# Altium PCB Stabilizer.PCBDOC (part 5 of 8)
Units mil, origin at the board's own origin, x right, y up, seen from the top; angles counter-clockwise.
Board outline 6397 x 3937 mil, 4 copper layers (Top, GP1(GND), L3, Bot), stack 64.883 mil thick; 687 components, 419 nets, 2137 pads, 1042 vias.
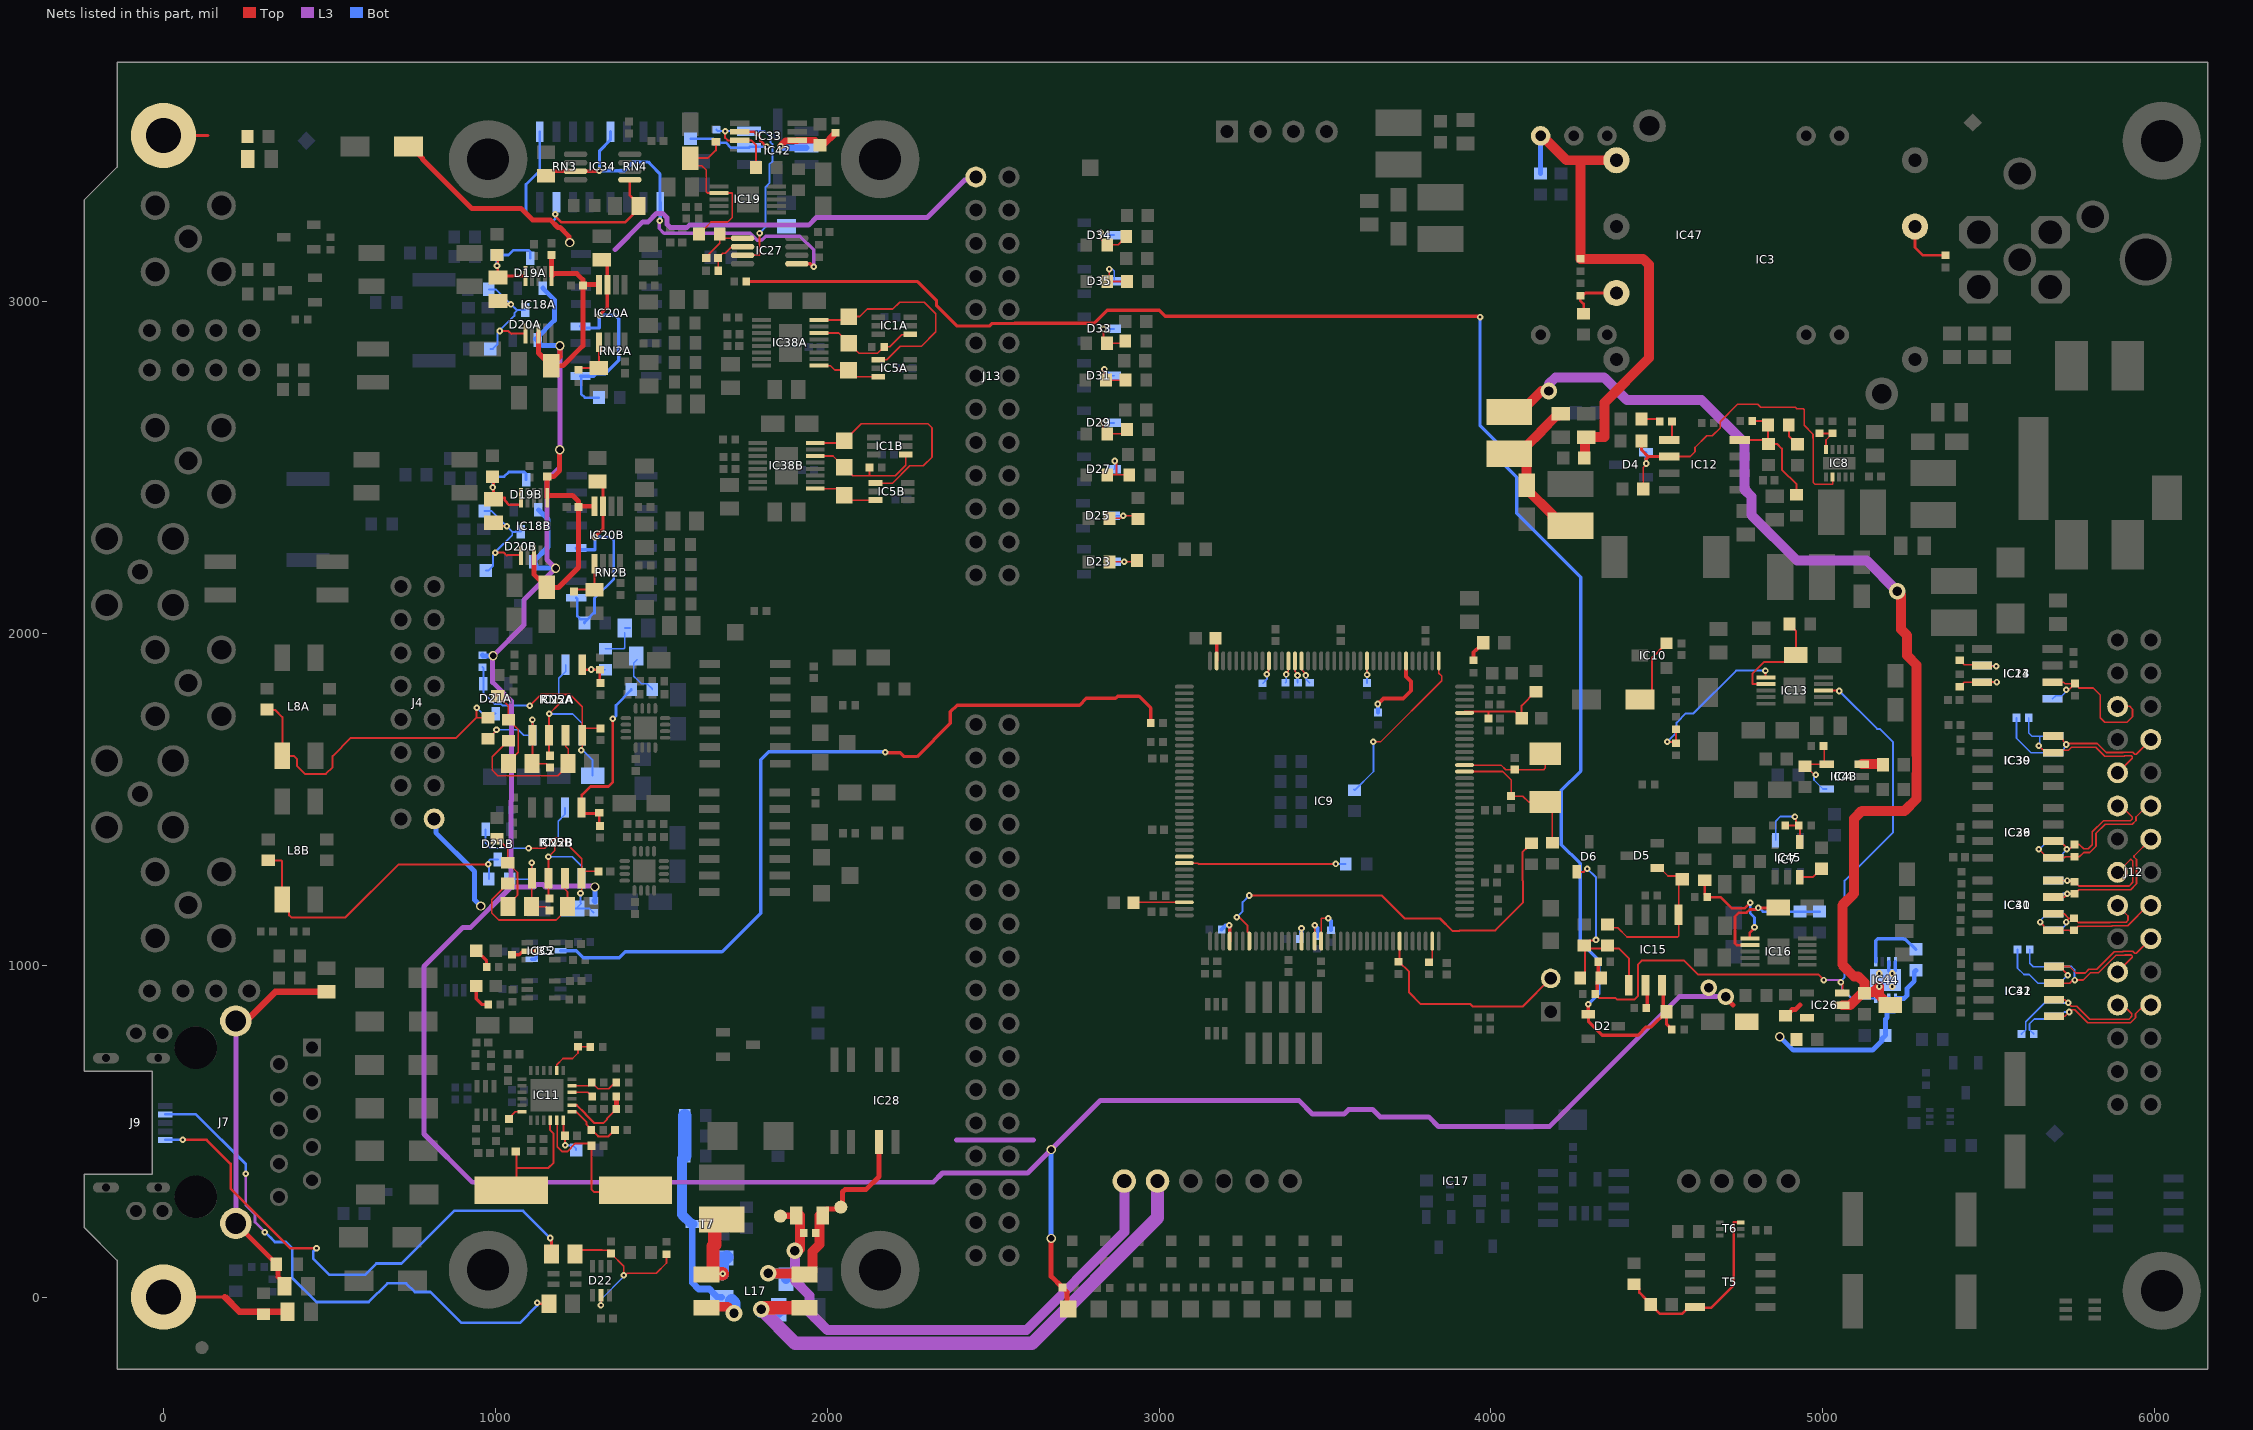
[diagram p7: the nets of this part, all layers, seen from the top]

## Via types
v1: diameter 19.68, hole 7.87, Top to Bot, tented both sides, 826 vias
v2: diameter 27.56, hole 19.68, Top to Bot, tented both sides, 83 vias
v3: diameter 19.68, hole 7.87, Top to Bot, 49 vias
v4: diameter 23.62, hole 11.81, Top to Bot, tented both sides, 41 vias
v5: diameter 50, hole 28, Top to Bot, tented both sides, 37 vias
v6: diameter 25.98, hole 12.99, Top to Bot, tented both sides, 5 vias
v7: diameter 39.37, hole 23.62, Top to Bot, tented both sides, 1 vias

## Nets (pads, with @x,y where several pads share a name; then routed paths per layer and width w, separated by ;. In a path a pad name is that pad's centre, name@x,y a point inside that pad or via, vN(x,y) a via of type N, cw(c..) or ccw(c..) an arc to the next point about the centre after c; other vN are vias at no path point) (continued)
LVDS1_P: IC14.2 IC23.8 J12.5 R107.2 | length 500
  Top w5: IC14.2@5691.96,1852.74 5724.97,1852.74 5729.58,1848.13 R107.2@5758.63,1848.13 ; v1(5733,1830.21) 5735.81,1833.02 5744.31,1833.02 5750.3,1839.01 5750.3,1839.8 R107.2@5758.63,1848.13 ; R107.2@5760,1848.71 5759.21,1848.71 R107.2@5758.63,1848.13 ; J12.5@5888.13,1779.79 5924.2,1779.79 5932.98,1771 5932.98,1748.67 5916.12,1731.82 5849.41,1731.82 5835.57,1745.66 5835.57,1814.24 5814.68,1835.12 5771.63,1835.12 R107.2@5758.63,1848.13
  Bot w5: IC23.8@5691.95,1802.74 5701.26,1812.05 5720.63,1812.05 5728.64,1820.05 5728.64,1821.87 5733,1826.24 v1(5733,1830.21)
LVDS2_N: IC30.7 IC39.1 J12.9 R173.1 | length 531.2
  Top w5: v1(5651,1661) 5662.38,1649.62 5684.65,1649.62 IC30.7@5693.96,1640.31 5701.3,1647.66 5740.18,1647.66 5749.34,1656.81 5822.32,1656.81 5849.34,1629.79 5908.83,1629.79 5909.94,1630.9 5929.24,1630.9 5932.17,1627.97 5932.17,1623.83 J12.9@5888.13,1579.79
  Bot w5: R173.1@5620.5,1745.66 5620.5,1699.5 5630,1690 5656.62,1690 ; v1(5651,1661) 5653.81,1663.81 5653.81,1671.08 5654,1671.27 5654,1687.38 5656.62,1690 ; IC39.1@5694.3,1690.31 5656.93,1690.31 5656.62,1690
LVDS2_P: IC30.8 IC39.2 J12.8 R173.2 | length 614.5
  Top w5: v1@5733,1668.7 5733.9,1667.81 v1@5734.54,1667.81 ; J12.8@5988.13,1679.79 5944.09,1635.75 5939.94,1635.75 5933.79,1641.9 5905.39,1641.9 5904.28,1640.79 5853.9,1640.79 5826.88,1667.81 v1@5734.54,1667.81 ; IC30.8@5720.63,1682.34 5701.93,1682.34 IC30.8@5693.96,1690.31 5712.66,1690.31 IC30.8@5720.63,1682.34 ; IC30.8@5720.63,1682.34 5724,1678.97 5724,1675.27 5733,1666.27 v1@5734.54,1667.81
  Bot w5: R173.2@5583.5,1745.66 5583.5,1684.14 5627.33,1640.31 IC39.2@5694.3,1640.31 5703.61,1649.62 5724.2,1649.62 5727.12,1652.55 5727.12,1655.15 5733,1661.03 v1(5733,1665)
LVDS3_N: IC29.1 IC36.7 J12.12 R111.1 | length 499.1
  Top w5: v1(5651,1349.51) 5666.34,1334.17 5666.34,1333.09 5675.65,1323.78 IC29.1@5694.35,1323.78 5727.37,1323.78 5730.14,1326.55 R111.1@5758.09,1326.55 5772.79,1326.55 5785.8,1339.55 5804.4,1339.55 5823.12,1358.28 5823.12,1397.17 5850.68,1424.73 5932.48,1424.73 5943.63,1435.88 5943.63,1446.67 5976.75,1479.79 J12.12@5988.13,1479.79
  Bot w5: v1(5651,1349.51) 5652.45,1349.51 5666.34,1363.4 5666.34,1364.46 5675.65,1373.77 IC36.7@5694.35,1373.77 IC36.7@5696.41,1371.71
LVDS3_P: IC29.2 IC36.8 J12.11 R111.2 | length 439.9
  Top w5: IC29.2@5694.35,1373.78 5714.37,1373.78 5734.47,1353.67 5734.47,1349.53 v1(5735,1349) 5742.75,1349 5757.31,1363.56 R111.2@5758.09,1363.56 5772.79,1363.56 5785.8,1350.55 5799.84,1350.55 5812.12,1362.83 5812.12,1401.73 5846.13,1435.73 5927.93,1435.73 5932.63,1440.43 5932.63,1446.67 5899.51,1479.79 J12.11@5888.13,1479.79
  Bot w5: IC36.8@5694.35,1323.77 5713.05,1323.77 5722.36,1333.08 5722.36,1336.36 v1(5735,1349)
LVDS4_N: IC31.4 IC40.5 J12.15 R116.2 | length 420.5
  Top w5: IC31.4@5693.96,1255.05 5726.97,1255.05 v1@5730.31,1251.71 ; v1@5739.98,1251.71 R116.2@5758.09,1251.71 5771.09,1238.71 5922.71,1238.71 5934.04,1250.03 5934.04,1313.88 5929.48,1318.43 5926.77,1318.43 J12.15@5888.13,1279.79
  Bot w5: IC40.5@5693.96,1255.05 v1(5735.91,1255.05) ; v1(5735.91,1255.05) 5736.92,1255.05 5739.41,1252.56 5738.4,1252.56 v1(5735.91,1255.05)
LVDS4_P: IC31.3 IC40.6 J12.14 R116.1 | length 475
  Top w5: IC31.3@5693.96,1205.05 5726.97,1205.05 v1(5736.62,1214.7) R116.1@5758.09,1214.7 5771.09,1227.71 5927.27,1227.71 5945.04,1245.47 5945.04,1318.43 5937.26,1326.21 5937.26,1328.92 J12.14@5988.13,1379.79
  Bot w5: IC40.6@5693.96,1205.05 5712.66,1205.05 5724.6,1217 5734.32,1217 v1(5736.62,1214.7)
LVDS5_N: IC31.1 IC40.7 J12.18 R114.1 | length 429.7
  Top w5: v1(5655,1130) 5665.95,1119.05 5665.95,1114.37 5675.26,1105.05 IC31.1@5693.96,1105.05 5741.88,1105.05 5742.25,1104.68 R114.1@5756.95,1104.68 5769.96,1117.69 5870.88,1117.69 5871.97,1118.78 5918.27,1118.78 5979.28,1179.79 J12.18@5988.13,1179.79
  Bot w5: v1(5655,1130) 5655.07,1130 5658,1132.93 5658,1137.54 5665.95,1145.48 5665.95,1145.74 5675.26,1155.05 IC40.7@5693.96,1155.05
LVDS5_P: IC31.2 IC40.8 J12.17 R114.2 | length 365.2
  Top w5: IC31.2@5693.96,1155.05 5726.97,1155.05 5740.33,1141.69 ; v1(5733,1130) 5733,1131 5740.33,1138.33 5740.33,1141.69 ; J12.17@5888.13,1179.79 5919.45,1148.47 5919.45,1135.51 5913.72,1129.78 5867.42,1129.78 5866.32,1128.69 5769.96,1128.69 R114.2@5756.95,1141.69 5740.33,1141.69
  Bot w5: IC40.8@5693.96,1105.05 5703.27,1114.37 5725.16,1114.37 5730.19,1119.39 5730.19,1127.19 v1(5733,1130)
LVDS6_N: IC32.7 IC41.1 J12.21 R174.1 | length 558.1
  Top w5: IC32.7@5696.35,946.02 5744.02,946.02 5756.14,958.14 v1(5758.95,955.34) 5784.61,955.34 5806.03,976.75 5829.94,976.75 5882.98,1029.79 5908.83,1029.79 5909.94,1030.9 5929.24,1030.9 5932.17,1027.97 5932.17,1023.83 J12.21@5888.13,979.79
  Bot w5: R174.1@5623.5,1047.6 5623.5,1005.5 5634,995 5695.33,995 IC41.1@5696.36,996.02 5748.98,996.02 5758,987 5758,956.28 v1(5758.95,955.34)
LVDS6_P: IC32.8 IC41.2 J12.20 R174.2 | length 620.1
  Top w5: IC32.8@5696.35,996.02 IC32.8@5715.05,996.02 ; v1(5737.69,970) 5737.69,971 5724.37,984.33 5724.37,986.71 IC32.8@5715.05,996.02 ; J12.20@5988.13,1079.79 5944.09,1035.75 5939.94,1035.75 5933.79,1041.9 5905.39,1041.9 5904.28,1040.79 5878.42,1040.79 5825.38,987.75 5801.47,987.75 5790.24,976.52 5762.48,976.52 5742.98,996.02 IC32.8@5715.05,996.02
  Bot w5: R174.2@5586.5,1047.6 5586.5,991.26 5606,971.76 5622.24,971.76 5647.98,946.02 IC41.2@5696.36,946.02 5715.06,946.02 5724.37,955.34 5724.37,956.67 v1(5737.69,970)
LVDS7_N: IC32.5 IC41.4 J12.24 R175.2 | length 517
  Top w5: IC32.5@5696.35,846.02 5729.37,846.02 v1(5742.28,858.94) 5748.87,865.52 5758.96,865.52 5798.17,826.31 5926.85,826.31 5938.76,838.21 5941.98,841.44 5941.98,853.32 5968.45,879.79 J12.24@5988.13,879.79
  Bot w5: R175.2@5635.46,792.28 5635.46,793.07 5626.54,801.98 5625.38,801.98 5622.45,804.91 5622.45,823.45 5637,838 5688.33,838 IC41.4@5696.36,846.02 5715.06,846.02 5727.97,858.94 v1(5742.28,858.94)
LVDS7_P: IC32.6 IC41.3 J12.23 R175.1 | length 526.4
  Top w5: IC32.6@5696.35,896.02 5729.37,896.02 v1(5739.12,886.27) 5748.87,876.52 5765.38,876.52 5804.6,837.31 5922.3,837.31 5930.98,845.99 5930.98,853.32 5904.52,879.79 J12.23@5888.13,879.79
  Bot w5: R175.1@5598.45,792.28 5598.45,793.07 5607.37,801.98 5608.53,801.98 5611.45,804.91 5611.45,829.82 5677.66,896.02 IC41.3@5696.36,896.02 5698.43,893.95 5716.32,893.95 5724,886.27 v1(5739.12,886.27)
MCO_2: IC9.99
N12V0_CHA: C92A.2 C97A.2 D21A.1 IC22A.4 L18A.2 | length 704
  Top w5: IC22A.4@1261.85,1709.44 1265.91,1713.5 C92A.2@1316.77,1713.5
  Top w6: v1(1103.95,1781.81) 1137.34,1815.2 1225.33,1815.2 1261.85,1778.69 1261.85,1709.44 IC22A.4@1261.85,1692.84 1261.85,1651.04 v1(1258.29,1647.48)
  Bot w6: L18A.2@961.8,1897.78 963.6,1895.98 D21A.1@963.6,1848.33 963.6,1820.77 997.92,1786.44 1017.11,1786.44 1021.74,1781.81 v1(1103.95,1781.81) ; v1(1258.29,1647.48) 1263.38,1647.48 1292.93,1617.93 C97A.2@1292.93,1571.16
N12V0_CHB: C92B.2 C97B.2 D21B.1 IC22B.4 L18B.2 | length 661.3
  Top w5: v1(1099.96,1352.26) 1149.14,1352.26 1180.97,1384.08 1196.6,1384.08 1260.08,1320.6 IC22B.4@1260.08,1278.82 ; v1(1256.52,1216.86) 1260.08,1220.42 IC22B.4@1260.08,1262.21 IC22B.4@1260.08,1278.82 ; C92B.2@1315.01,1282.88 1264.14,1282.88 IC22B.4@1260.08,1278.82
  Bot w5: D21B.1@970.51,1409.34 970.51,1367.94 986.2,1352.26 v1(1099.96,1352.26) ; C97B.2@1232.72,1170.8 C97B.2@1243.66,1170.8 ; v1(1256.52,1216.86) 1256.52,1188.61 1259,1186.14 C97B.2@1243.66,1170.8 ; L18B.2@1296.59,1158.09 1283.88,1170.8 C97B.2@1243.66,1170.8
N12V0A: C46.2 C89.2 C129A.2 C129B.2 C130A.2 C130B.2 C133A.2 C133B.2 C170.2 C174.2 D9.2 D19A.1 D19B.1 D20A.1 D20B.1 IC18A.3 IC18A.6 IC18B.3 IC18B.6 IC20A.4 IC20B.4 IC26.5 IC44.1 IC44.2 J4.16 J13.26 L18A.1 L18B.1 R32.2 R61.2 TP9.1 | length 12915.4
  Top w15: D9.2@742.31,3474.27 742.31,3466.9 745.26,3466.9 780.08,3432.07 780.08,3429.12 929.2,3280 1077.59,3280 1111.79,3245.81 1165.6,3245.81 1188.81,3222.6 1195.16,3222.6 1221.57,3196.18 1221.57,3179.86 v2(1223.97,3177.46) ; IC18B.3@1116.96,2235.54 1116.96,2176.68 C130B.2@1155.35,2138.29 1190.5,2138.29 1250.64,2198.43 C133B.2@1250.64,2380.42 C133B.2@1250.64,2382.84 ; IC18A.3@1130.13,2903.44 1130.13,2844.58 C130A.2@1168.52,2806.19 ; C129A.2@1169.5,3139.85 IC18A.6@1169.5,3076.67 1176.65,3083.82 1245.39,3083.82 1263.8,3065.41 C133A.2@1263.8,3050.74 ; v2(1194,2552.98) 1194,2490 1175.95,2471.95 C129B.2@1156.33,2471.95 IC18B.6@1156.33,2408.77 1163.48,2415.91 1232.23,2415.91 1250.64,2397.5 C133B.2@1250.64,2382.84 ; v2(1194.55,2866.58) 1194.55,2837.25 1197.06,2834.74 C130A.2@1168.52,2806.19 ; IC20B.4@1298.79,2382.84 C133B.2@1250.64,2382.84 ; IC20A.4@1311.96,3050.74 C133A.2@1263.8,3050.74 ; v2(2674.96,176.7) 2674.96,62.71 R61.2@2708.98,28.69 2722.07,15.6 2722.07,-31.78 TP9.1@2726.3,-36.02 ; v5@4705.31,903.73 4728.51,880.53 ; R32.2@4887.23,847.79 4889.2,847.79 4907.45,866.04 4916.92,866.04 4930.56,879.68 4930.56,880.53 ; C130A.2@1168.52,2806.19 1203.66,2806.19 1263.8,2866.33 C133A.2@1263.8,3048.32 C133A.2@1263.8,3050.74
  L3 w15: v2(1194,2552.98) 1194,2500 1155,2461 1155,2222.56 v2(1181.39,2196.17) 1086.21,2101 1086.21,2025.41 991.86,1931.05 991.86,1852.41 1048.81,1795.46 1048.81,1496.17 1047,1494.36 1047,1235.84 ; v2@1194.55,2552.98 v2(1194.55,2866.58) ; v2(1300,1236) 1296.8,1239.2 1217.33,1239.2 1213.96,1235.84 1151.03,1235.84 1143.14,1243.73 1124.63,1243.73 1116.74,1235.84 1047,1235.84 ; 1361,3156.74 1444.26,3240 1460.4,3240 1485.75,3265.34 1504.25,3265.34 1517.34,3252.25 1517.34,3232.08 1526.13,3223.3 1577.79,3223.3 1584.49,3230 1944,3230 1967,3253 2301,3253 2413.94,3365.94 2438.61,3365.94 J13.26@2447.79,3375.12 ; 2389.85,473 2621.46,473 ; v5(4707.53,905.05) 4567.36,905.05 4175.79,513.48 3841.76,513.48 3812.24,543 3665.7,543 3643.33,565.37 3571.16,565.37 3557.62,551.83 3461.77,551.83 3420.81,592.78 2823.18,592.78 v2(2674.96,444.56) 2604.1,373.7 2347.26,373.7 2319.57,346 930.69,346 785.2,491.5 785.2,996.82 902.59,1114.21 925.38,1114.21 1047,1235.84
  Bot w15: J4.16@815.52,1440.88 820.5,1435.89 820.5,1399.5 937,1283 937,1197 v2(956,1178) ; L18A.1@961.8,1934 963.48,1932.32 v2(993,1932.32) ; D20B.1@1114.29,2215.85 1158.47,2260.03 1158.47,2343.35 D19B.1@1129.86,2371.96 ; D20B.1@1122.07,2208.06 1118.09,2204.08 1126,2196.17 v2(1181.39,2196.17) ; D19A.1@1143.03,3039.86 1177.82,3005.06 1177.82,2942.94 1121.44,2886.56 1125.85,2882.15 1141.42,2866.58 v2(1194.55,2866.58) ; L18B.1@1296.59,1194.31 1300,1190.89 v2(1300,1236) ; v2(2674.96,176.7) v2(2674.96,444.56) ; v2(4870.22,784.51) 4910.79,743.93 5149.67,743.93 5175.94,770.2 5176.92,770.2 5177.54,770.81 5177.54,777.51 5189.12,789.09 5189.12,837.67 5193.65,842.2 5193.65,856.62 5198.84,861.81 ; IC44.2@5198.84,900.22 5198.84,861.81 ; C170.2@5280.25,984.48 5275.33,979.56 5275.33,951.82 5253.76,930.26 5253.76,909 5244.98,900.22 IC44.1@5218.53,900.22 5218.53,865.08 5215.25,861.81 5198.84,861.81
  other v5: 4656.53,932.05
N13V0: C19.2 C44.2 IC26.2 IC44.7 IC44.8 IC44.9 L13.2 | length 3302.9
  Top w30: L13.2@4082.44,2669.85 4091.85,2669.85 4152,2730 v5(4174,2730) ; IC26.2@5058.49,879.29 5081.86,879.29 5118.07,915.5 C44.2@5125,915.5 5125,948 5106.67,966.33 5093.69,966.33 5058.49,1001.53 5058.49,1180.56 5093.44,1215.5 5093.44,1441.44 5117.16,1465.16 5246.47,1465.16 5282.23,1500.92 5282.23,1575.44 5282.83,1576.03 5282.83,1631.97 5282.23,1632.56 5282.23,1904.47 5254,1932.7 5254,1993.38 5235.23,2012.16 5235.23,2115.77 v5(5224,2127) ; C44.2@5125.98,915.5 5129.69,919.2 5152.86,919.2 v3(5169.32,935.65) 5169.32,910.25 5199.29,880.27 C19.2@5202.52,880.27
  L3 w30: v5(4174,2730) 4174,2750.78 4194.22,2771 4341.2,2771 4409.2,2703 4634.74,2703 4764.38,2573.36 4764.38,2432.85 4785,2412.23 4785,2356 4922,2219 5132,2219 v5(5224,2127)
  Bot w10: IC44.7@5198.84,1010.45 5198.84,982.82 5206.64,975.02 v3(5208.69,975.02) 5210.73,975.02 5218.53,982.82 IC44.8@5218.53,1010.45
  other v3: 5208.69,935.65 5169.32,975.02
N13V0FIL: C18.2 C42.2 L12.2 L13.1 | length 578.2
  Top w30: L13.1@4088.32,2541.17 L13.1@4107.45,2522.04 ; C18.2@4107.45,2446.09 C18.2@4107.45,2435.27 ; C42.2@4210.39,2661.98 4204.72,2656.31 4197.83,2656.31 4150.53,2609.01 4150.53,2607.17 4108.9,2565.54 4090.27,2546.91 4090.27,2541.17 L13.1@4055,2541.17 4074.13,2522.04 L13.1@4107.45,2522.04 ; L12.2@4239.92,2324.11 4210.39,2324.11 4186.02,2348.48 4186.02,2356.69 C18.2@4107.45,2435.27 ; C18.2@4107.45,2435.27 L13.1@4107.45,2522.04
N13V0S: C40.2 IC3.4 IC47.11 L21.1 R143.1 R227.1 | length 1575.7
  Top w30: IC47.11@4149.63,3499.04 4153.57,3499.04 4227.25,3425.36 4269.45,3425.36 ; L21.1@4282.73,2530.52 4282.73,2586.51 C40.2@4287.33,2591.11 4342,2591.11 4342,2694.98 4476.14,2829.12 4476.14,3110.7 4458.57,3128.28 4269.45,3128.28 4269.45,3425.36 ; IC3.4@4377.72,3425.36 4269.45,3425.36
  Bot w15: R227.1@4149.63,3385.36 IC47.11@4149.63,3499.04
NetB3_1: B3.1 C33.2 IC28.1 L17.4 R124.1 R127.1 | length 726.6
  Top w15: R124.1@1986.01,246 1986.01,254.86 1997.21,266.06 2036.06,266.06 2046,276 2046,316.51 2054.23,324.73 2117.46,324.73 2155.76,363.04 IC28.1@2155.76,467.01
  Top w30: v5@1816,70.58 1929.27,70.58 L17.4@1931.64,68.22 1947.39,68.22 1956.01,76.84 1956.01,137.01 1977,158 R124.1@1977,246
  Bot w30: v5@1834.52,70.86 1867.83,70.86 1875.46,63.23 C33.2@1875.46,54.28
  other v5: 1822.01,71.67
NetB4_1: B4.1 IC17.1 R124.2 R127.2 | length 1612.1
  Top w20: B4.1@1859,244 1860,245 1906.27,245 R124.2@1907.27,246
  Top w30: v5@1909.49,136.79 1917.3,144.6 R124.2@1917.3,246
  L3 w30: v5(1902.23,140) 1902.23,49.72 1946.93,5.02 1946.93,-45.83 2000.1,-99 2600.44,-99 2895.19,195.75 IC17.1@2895.19,349.57
NetC1A_1: C1A.1 IC22A.2 RN5A.3 RN5A.5 | length 443.9
  Top w5: C1A.1@1165.19,1631.02 1161.85,1634.37 v1(1161.85,1757.07) 1191.18,1786.41 v1(1191.18,1797.36)
  Bot w5: v1(1161.85,1757.07) 1233.12,1757.07 1261.85,1728.34 RN5A.5@1261.85,1692.84 ; v1(1191.18,1797.36) 1191.18,1864.49 1211.85,1885.16 RN5A.3@1211.85,1905.43
NetC1A_2: C1A.2 C120A.2 IC22A.1 R2A.1 RN5A.8 | length 392.7
  Top w5: R2A.1@977.79,1682.61 1003.49,1708.31 v1(1003.49,1709.68) ; v1(1111.85,1739.49) 1111.85,1608.98 C120A.2@1110.07,1607.2 1153.58,1607.2 C1A.2@1165.19,1595.59
  Bot w5: v1(1003.49,1709.68) 1068.74,1709.68 1085.58,1692.84 RN5A.8@1111.85,1692.84 v1(1111.85,1739.49)
NetC1B_1: C1B.1 IC22B.2 RN5B.3 RN5B.5 | length 443.9
  Top w5: C1B.1@1163.43,1200.4 1160.08,1203.75 IC22B.2@1160.08,1262.21 v1(1160.08,1326.45) 1178.98,1345.34 1178.98,1356.3 v1(1189.42,1366.74)
  Bot w5: v1(1160.08,1326.45) 1231.35,1326.45 1260.08,1297.72 RN5B.5@1260.08,1262.21 ; v1(1189.42,1366.74) 1189.42,1433.87 1210.08,1454.53 RN5B.3@1210.08,1474.81
NetC1B_2: C1B.2 C120B.2 IC22B.1 R2B.1 RN5B.8 | length 307.5
  Top w5: v1(1110.08,1308.86) IC22B.1@1110.08,1262.21 1110.08,1178.35 C120B.2@1108.31,1176.58 1151.81,1176.58 C1B.2@1163.43,1164.97
  Bot w5: R2B.1@1043.35,1259.38 1107.25,1259.38 RN5B.8@1110.08,1262.21 v1(1110.08,1308.86)
NetC3A_1: C3A.1 IC22A.5 R153A.2 R172A.2 | length 151.3
  Top w8: IC22A.5@1261.85,1905.43 1261.85,1890.08 R153A.2@1314.8,1890.08 1314.8,1852.68 C3A.1@1316.77,1850.71
  Bot w5: v1(1289,1891) 1289.5,1890.5 R172A.2@1331.65,1890.5
NetC3B_1: C3B.1 IC22B.5 R153B.2 R172B.2 | length 560.9
  Top w8: C3B.1@1315,1420.09 1313.03,1422.05 R153B.2@1313.03,1459.46 1310.74,1457.16 1261.2,1457.16 1260.08,1458.28 IC22B.5@1260.08,1474.81 1260.57,1475.3 1260.57,1512.64 1286.52,1538.59 1341.03,1538.59 1354.09,1551.65 v1(1354.09,1742.09)
  Bot w8: v1(1354.09,1742.09) 1363.58,1751.58 1363.58,1783.01 1409.43,1828.87 R172B.2@1409.43,1830.84
NetC5_2: C5.2 R69.1 | length 62.6
  Top w10: C5.2@942.56,1043.76 973.52,1012.81 R69.1@973.52,994.02
NetC10_1: C10.1 R3.2 ST2.1 | length 134.1
  Top w8: ST2.1@0,3500 134.14,3500
NetC11_1: C11.1 R4.2 ST2.0 | length 399
  Top w8: ST2.0@0,0 185,0 192.22,0
  Top w20: 185,0 229,-44 C11.1@373.57,-44
NetC14_2: C14.2 C31.1 IC9.32 R95.2 | length 304
  Top w6: IC9.32@3920.8,1760.84 IC9.32@3920.4,1760.44 3920.4,1763.83 3991.89,1763.83 ; C31.1@3992.25,1743.62 3992.25,1763.47 3991.89,1763.83 ; R95.2@4136,1823.78 4134.03,1823.78 4092.28,1782.04 C14.2@4092.28,1743.62 4072.08,1763.83 3991.89,1763.83
NetC21_2: C21.2 IC9.23 Q1.2 R179.2 | length 441.5
  Top w5: IC9.23@3920.4,1583.27 3920.56,1583.43 4035.57,1583.43 4060.75,1558.25 C21.2@4060.75,1509.37 4095.64,1509.37 4113.35,1491.66 Q1.2@4163.72,1491.66 4185,1470.37 R179.2@4185,1369
NetC23_2: C23.2 IC9.24 Q1.1 | length 294.4
  Top w5: IC9.24@3920.4,1602.96 4030.18,1602.96 4044.06,1589.08 C23.2@4071.58,1589.08 4158.81,1589.08 4163.72,1593.98 Q1.1@4163.72,1637.33
NetC24_1: C24.1 IC9.106 | length 153.7
  Top w5: C24.1@2922.92,1187.87 2924.61,1189.55 IC9.106@3075.91,1189.57
NetC25_1: C25.1 IC9.71 | length 69.3
  Top w10: C25.1@3170.02,1984.85 3173.35,1981.52 IC9.71@3173.35,1916.94
NetC47_1: C47.1 IC7.3 | length 75.6
  Top w6: IC7.3@4930.56,1265.08 4969.88,1265.08 C47.1@4995.5,1290.7
NetC66_2: C66.2 D5.1 IC15.5 R52.1 | length 497.2
  Top w5: R52.1@4351.15,1122.63 4360.49,1113.29 4381.71,1113.29 4409.95,1085.05 4562.35,1085.05 4565.28,1087.98 IC15.5@4565.28,1152.25 4565.28,1246.69 4577.53,1258.94 4567.86,1268.6 4533.44,1268.6 4509.18,1292.87 D5.1@4501.3,1292.87
NetC68_2: C68.2 D2.1 IC15.3 R22.2 R48.2 | length 5062.6
  Top w10: R22.2@1756.5,3060 2272.14,3060 2329.43,3002.71 2329.43,2987 2390.43,2926 2490.07,2926 2497.7,2933.63 2564.98,2933.63 2565.35,2934 2804.31,2934 2843.31,2973 3000.46,2973 3018.46,2955 3965,2955 v1(3967,2953) ; v1(4293,882.36) D2.1@4293,852.79 4293.7,852.09 4293.7,830.85 4335.55,789 4443.24,789 4468.27,814.04 4483.27,814.04 C68.2@4528.9,859.68 ; IC15.3@4515.28,939.65 4518.91,936.01 4518.91,869.67 C68.2@4528.9,859.68 ; R48.2@4545.24,805.93 4528.9,822.27 C68.2@4528.9,859.68
  Bot w10: v1(3967,2953) 3967,2625.72 4027.7,2565.01 4027.7,2519.26 4077.22,2469.74 4077.22,2361.84 4270,2169.06 4270,1585 4212,1527 4212,1363 4268.51,1306.49 4268.51,1071.28 4324.56,1015.23 4324.56,913.91 v1(4293,882.36)
NetC69_2: C69.2 D4.1 IC8.7 IC12.6 R56.1 | length 1062.7
  Top w5: C69.2@4459.26,2434.7 4459.26,2499.88 v1@4466.9,2507.53 ; IC12.6@4537.11,2532.53 4600.53,2532.53 4614.66,2546.66 4614.66,2559.97 4649.69,2595 4666.73,2595 4690.42,2618.69 4690.42,2637.95 4742.82,2690.34 4803.52,2690.34 4812.68,2681.19 4917.32,2681.19 4921.62,2676.88 4940.73,2676.88 4943.66,2673.95 4943.66,2626.58 4970.22,2600.02 4970.22,2587.67 4971,2586.89 4971,2454.58 4976.2,2449.38 5029.29,2449.38 IC8.7@5029.29,2471.09
  Top w10: R56.1@4453.52,2579.96 4453.52,2553.54 4474.53,2532.53 ; v1@4466.9,2511.64 4466.9,2524.9 4474.53,2532.53 ; IC12.6@4537.11,2532.53 4474.53,2532.53
  Bot w10: v1(4467.3,2511.64) D4.1@4467.3,2544.93
NetC75_2: C75.2 IC27.5 IC34.3 RN4.1 RN4.5 | length 1308.3
  Top w10: C75.2@1152.68,3378.89 1166.09,3392.29 IC34.3@1241.75,3392.29 1311.96,3392.29 v1(1313.59,3393.92) ; IC27.5@1880.39,3110.14 1883.95,3113.71 IC27.5@1908.44,3113.71 1908.7,3113.45 1948.49,3113.45 1956.93,3105 v1(1959.19,3105)